# Altium PCB Board.PcbDoc (part 2 of 2) (continued)
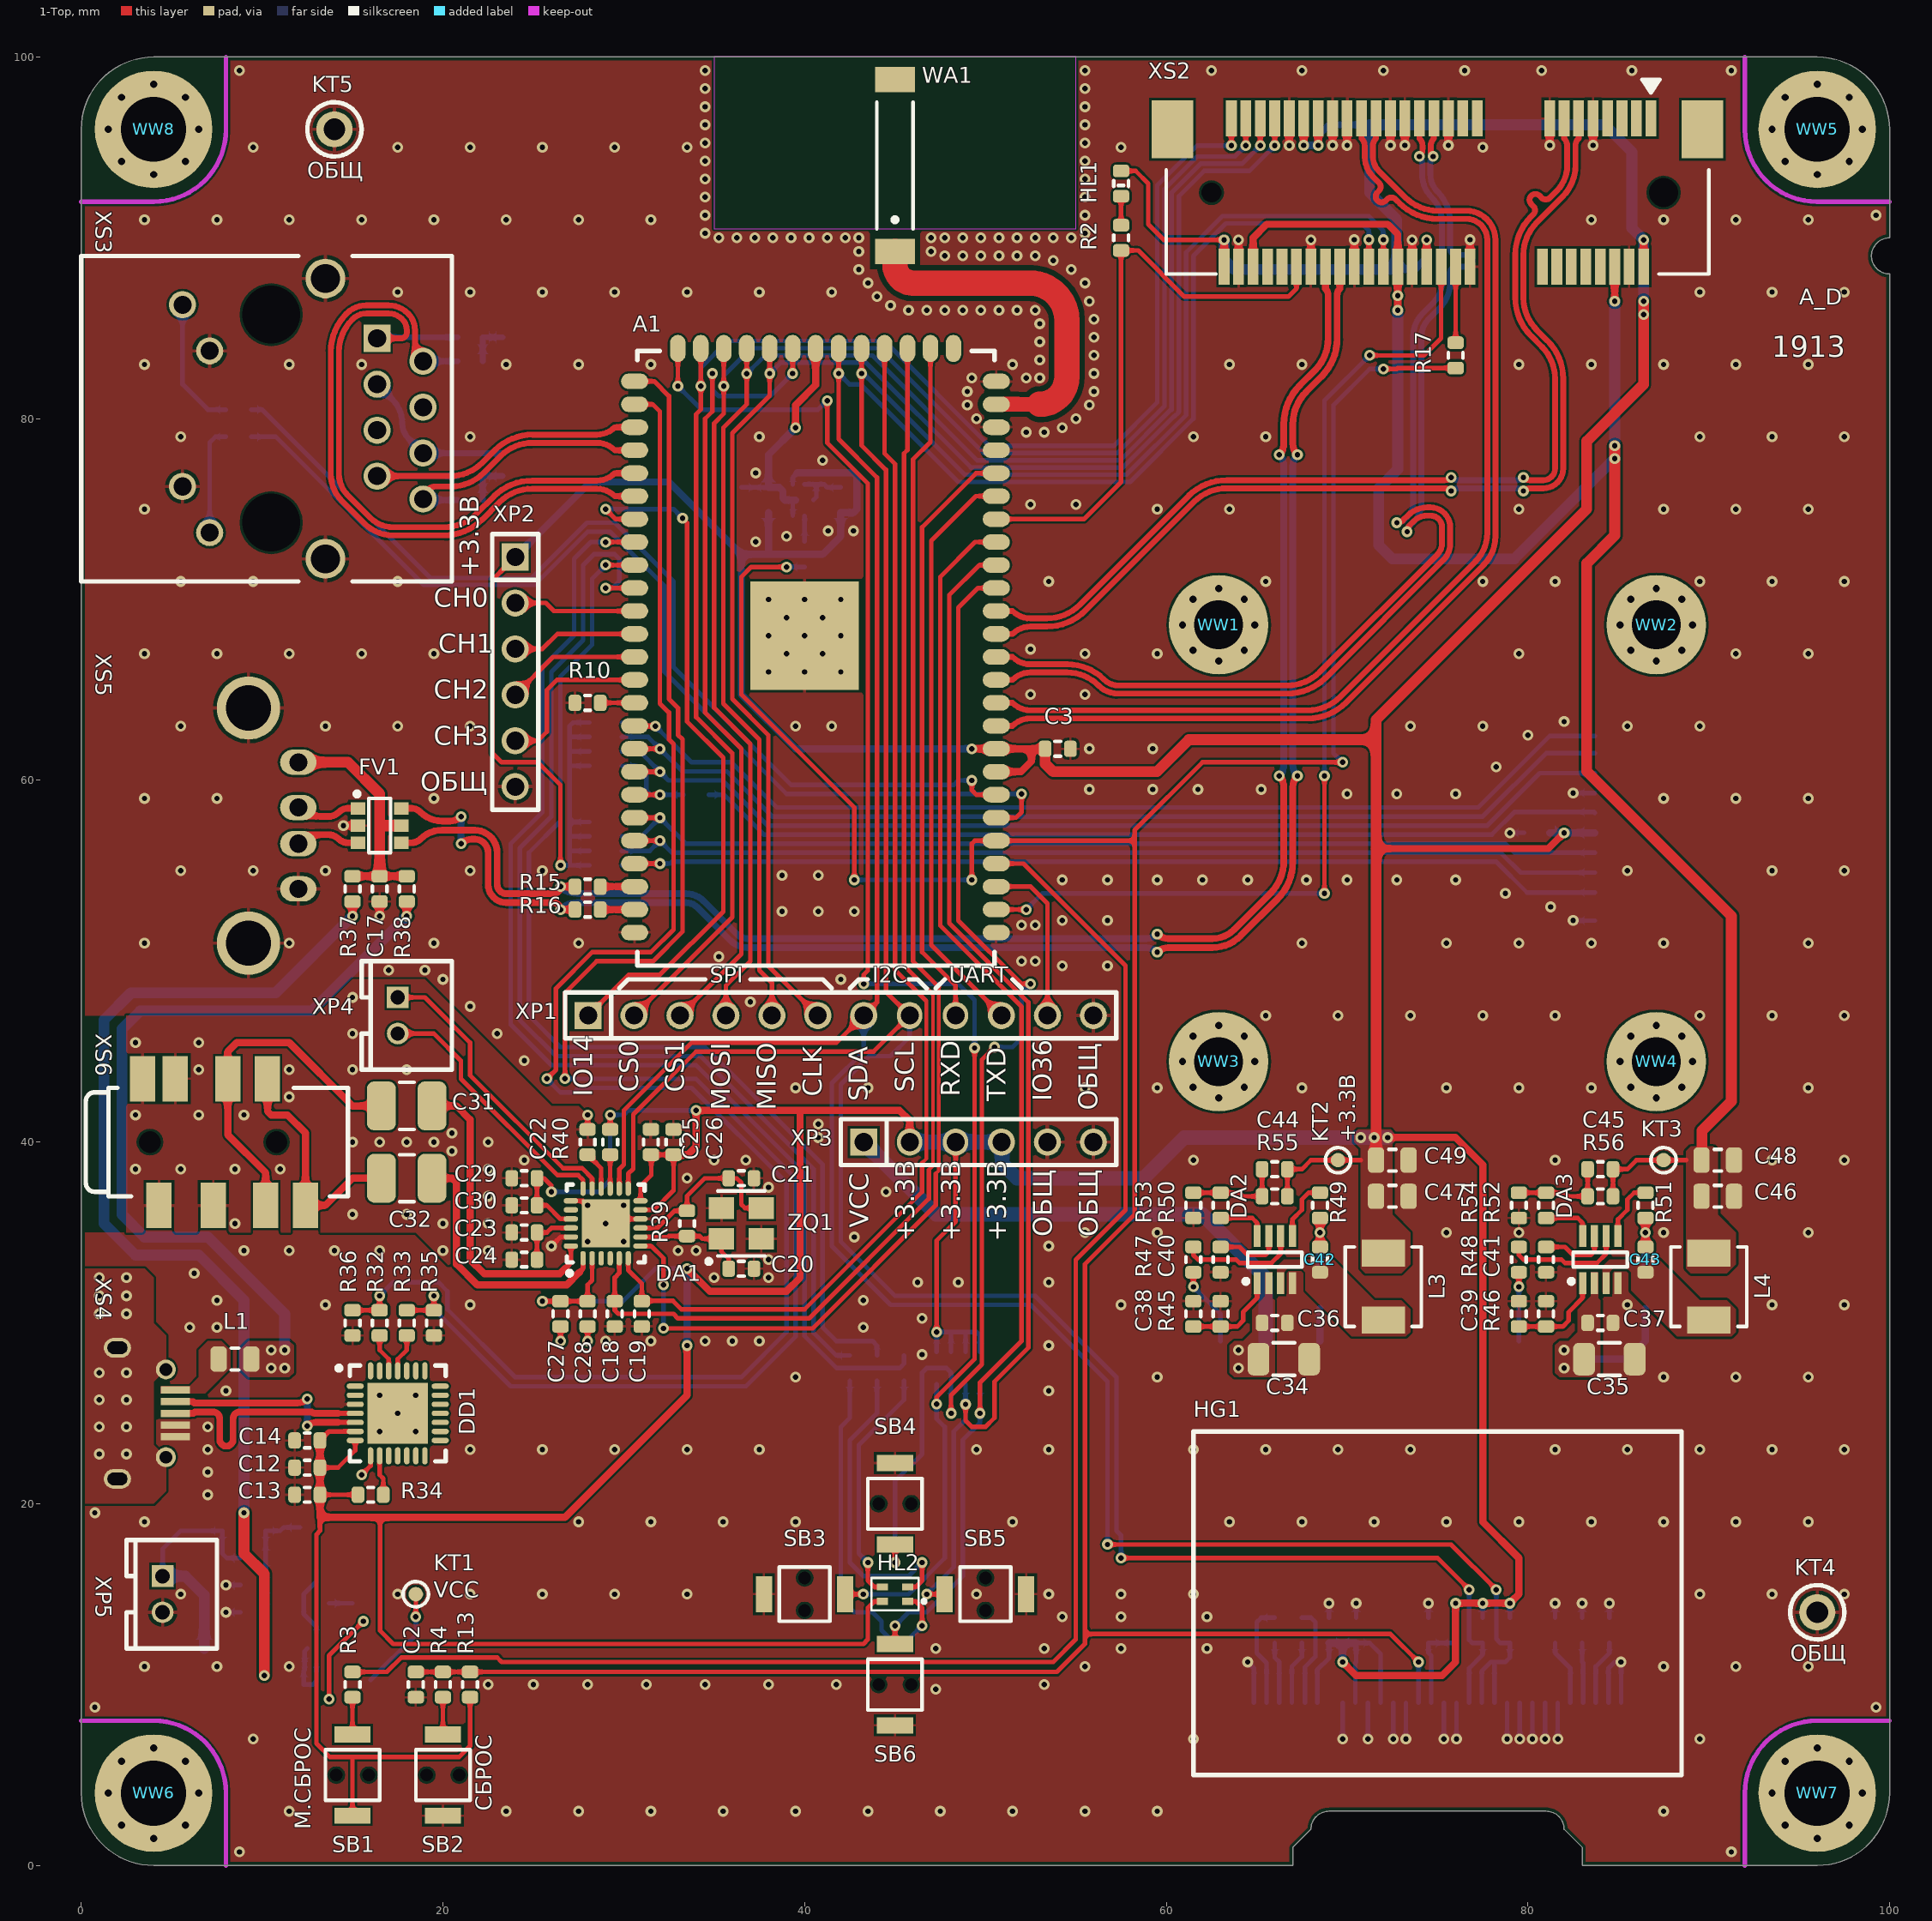
[diagram p0: 1-Top view]
## Nets (pads, with @x,y where several pads share a name; then routed paths per layer and width w, separated by ;. In a path a pad name is that pad's centre, name@x,y a point inside that pad or via, vN(x,y) a via of type N, cw(c..) or ccw(c..) an arc to the next point about the centre after c; other vN are vias at no path point) (continued)
  2-Bottom w0.325: v1(75.75,76.75) ccw(c76.11,77.11) 76.11,76.601 79.39,76.601 ccw(c79.39,77.11) v1(79.75,76.75)
PCIE_PERST_N: A1.2 XS2.22 | length 57.6
  1-Top w0.25: A1.2@50.6,52.856 v1(52.25,52.856) ; v1(68.75,53.75) v1(68.75,60.25) ; v1(71.25,83.5) 74.25,83.5 75.2,84.45 XS2.22@75.2,88.4
  2-Bottom w0.25: v1(52.25,52.856) 53.144,53.75 v1(68.75,53.75) ; v1(68.75,60.25) 68.75,81 v1(71.25,83.5)
PCIE_RESET_N: R17.1 XS2.20 | length 4.2
  1-Top w0.25: R17.1@76,84.2 XS2.20@76,88.4
PCIE_RX0_N: A1.13 XS2.23 | length 57.9
  1-Top w0.325: A1.13@50.6,66.826 51.5,66.826 ccw(c52.488,67.814) 52.488,66.417 54.529,66.417 cw(c54.529,63.537) 56.565,65.573 56.569,65.569 ccw(c57.34,66.34) 57.34,65.25 66.698,65.25 ccw(c66.698,67.79) 68.494,65.994 75,72.5 ccw(c74.396,73.104) 75.25,73.104 75.25,74 ccw(c74.608,74) 74.608,74.642 74.448,74.642 ccw(c74.448,73.552) 73.677,74.323 73.472,74.118 ccw(c73.839,73.75) v1(73.319,73.75) ; v1(74.75,94.5) cw(c75.05,94.8) 74.626,94.8 74.626,95.079 cw(c75.221,95.079) 74.8,95.5 XS2.23@74.8,96.6
  2-Bottom w0.325: v1(73.319,73.75) cw(c73.756,73.75) 73.447,74.058 73.662,74.274 ccw(c72.58,75.357) 74.111,75.357 74.111,84.561 cw(c75.439,84.561) 74.5,85.5 75.1,86.1 ccw(c73.649,87.552) 75.702,87.552 75.702,88 75.702,88.08 cw(c76.026,88.08) 76.026,88.404 76.61,88.404 ccw(c76.61,88.729) 76.934,88.729 ccw(c76.61,88.729) 76.61,89.053 76.026,89.053 cw(c76.026,89.378) 75.702,89.378 75.702,90.86 ccw(c73.312,90.86) 75.002,92.549 75,92.551 cw(c75.964,93.515) 74.601,93.515 74.601,94.14 cw(c75.11,94.14) v1(74.75,94.5)
PCIE_RX0_P: A1.12 XS2.25 | length 57.6
  1-Top w0.325: A1.12@50.6,65.556 51.5,65.556 cw(c52.488,64.568) 52.488,65.965 54.524,65.965 cw(c54.524,63.524) 56.25,65.25 56.253,65.247 ccw(c57.336,66.331) 57.336,64.798 66.699,64.798 ccw(c66.699,67.787) 68.812,65.674 75.322,72.184 ccw(c74.406,73.1) 75.702,73.1 75.702,74 ccw(c74.608,74) 74.608,75.094 74.444,75.094 ccw(c74.444,73.56) 73.36,74.645 73.118,74.402 ; v1(72.75,74.25) ccw(c72.75,74.77) 73.117,74.402 ; v1(74,94.5) ccw(c73.579,94.921) 74.174,94.921 74.174,95.079 ccw(c73.579,95.079) 74,95.5 XS2.25@74,96.6
  2-Bottom w0.325: v1(72.75,74.25) ccw(c72.75,74.854) 73.176,74.426 73.34,74.59 ccw(c72.569,75.361) 73.342,74.592 ccw(c72.569,75.361) 73.659,75.361 73.659,84.563 cw(c75.435,84.563) 74.179,85.818 74.778,86.417 ccw(c73.639,87.556) 75.25,87.553 ccw(c73.639,87.556) 75.25,87.556 75.25,90.857 ccw(c73.306,90.857) 74.681,92.232 74.679,92.234 cw(c75.957,93.512) 74.149,93.512 74.149,94.14 ccw(c73.64,94.14) v1(74,94.5)
PCIE_TX0_N: A1.10 XS2.31 | length 59.8
  1-Top w0.325: A1.10@50.6,63.016 51.5,63.016 cw(c52.488,62.028) 52.488,63.425 67.826,63.425 ccw(c67.826,66.413) 69.939,64.3 77.537,71.898 ccw(c75.931,73.503) 78.202,73.5 ccw(c75.931,73.503) 78.202,73.503 78.202,89.889 ccw(c76.59,89.889) 76.59,91.5 75.002,91.5 cw(c75.002,94.04) 73.206,92.244 71.762,93.688 cw(c72.574,94.5) 71.426,94.5 71.426,95.079 cw(c72.021,95.079) 71.6,95.5 XS2.31@71.6,96.6
PCIE_TX0_P: A1.11 XS2.33 | length 60
  1-Top w0.325: A1.11@50.6,64.286 51.5,64.286 ccw(c52.488,65.274) 52.488,63.877 67.824,63.877 ccw(c67.824,66.417) 69.621,64.621 77.085,72.085 ccw(c75.479,73.691) 77.75,73.691 77.75,89.889 ccw(c76.59,89.889) 76.59,91.048 75.001,91.048 cw(c75.001,94.037) 72.888,91.924 72.756,92.056 72.675,92.136 ccw(c72.446,91.907) 72.216,92.136 72.137,92.058 cw(c71.908,92.287) 71.678,92.058 cw(c71.908,92.287) 71.678,92.517 71.757,92.595 ccw(c71.528,92.825) 71.757,93.054 71.442,93.37 cw(c72.571,94.499) 70.974,94.499 70.974,95.079 ccw(c70.379,95.079) 70.8,95.5 XS2.33@70.8,96.6
PWM_CH0: A1.49 XP2.2 | length 6.8
  1-Top w0.25: XP2.2@24,69.81 25.69,69.81 26.134,69.366 A1.49@30.6,69.366
PWM_CH1: A1.50 XP2.3 | length 6.9
  1-Top w0.25: XP2.3@24,67.27 25.5,67.27 26.326,68.096 A1.50@30.6,68.096
PWM_CH2: A1.51 XP2.4 | length 7.5
  1-Top w0.25: XP2.4@24,64.73 26.096,66.826 A1.51@30.6,66.826
PWM_CH3: A1.52 XP2.5 | length 9.3
  1-Top w0.25: XP2.5@24,62.19 25.25,62.19 25.75,62.69 25.75,65 26.306,65.556 A1.52@30.6,65.556
RESET_N: A1.5 C2.2 HG1.14 R1.1 R4.2 R13.1 R17.2 | length 186.4
  1-Top w0.25: C2.2@18.5,10.7 R4.2@20,10.7 R13.1@21.5,10.7 53.95,10.7 55.5,12.25 55.5,12.797 ; v1(39,71.8) 37.05,71.8 36.5,71.25 36.5,64.75 42.75,58.5 v1(42.75,54.5) ; v1(49.25,54.5) 49.25,56.5 49.416,56.666 A1.5@50.6,56.666 58.25,56.666 ; v1(69.75,61) 62,61 58.25,57.25 58.25,56.666 ; v1(72,82.75) 72.75,82.75 72.8,82.8 R17.2@76,82.8 ; v1(73.95,11.25) 72.403,12.797 55.5,12.797 ; 55.5,12.797 55.5,33.242 58.25,35.992 58.25,56.666
  2-Bottom w0.25: v1(39,71.8) R1.1@40,71.8 ; v1(42.75,54.5) v1(49.25,54.5) ; v1(69.75,61) 69.25,61.5 69.25,80.75 71.25,82.75 v1(72,82.75) ; HG1.14@73.95,9 v1(73.95,11.25)
SD_CD: A1.54 R8.5 XS1.CDB | length 58.5
  1-Top w0.25: A1.54@30.6,63.016 30.616,63 v1(31.75,63)
  2-Bottom w0.25: R8.5@29.9,63.2 31.066,63.2 31.266,63 v1(31.75,63) 33.75,61 35.956,61 38.456,58.5 77.25,58.5 81.2,62.45 XS1.CDB@83.7,62.45
SD_CLK: A1.57 R7.2 R8.8 | length 5.9
  1-Top w0.25: A1.57@30.6,59.206 v1(32,59.206)
  2-Bottom w0.25: R8.8@29.9,60.8 30.7,60.8 31.25,60.25 31.25,59.456 31.5,59.206 v1(32,59.206) R7.2@33.3,59.206
SD_CMD: A1.58 R9.6 XS1.3 | length 56.4
  1-Top w0.25: A1.58@30.6,57.936 v1(32,57.936)
  2-Bottom w0.25: R9.6@29.9,56.9 30.964,56.9 v1(32,57.936) 33.436,56.5 78.75,56.5 79.25,56 XS1.3@83.7,56
SD_D0: A1.56 R8.7 XS1.7 | length 58.1
  1-Top w0.25: A1.56@30.6,60.476 v1(32,60.476)
  2-Bottom w0.25: R8.7@29.9,61.6 30.876,61.6 v1(32,60.476) 32.476,60 35.456,60 37.956,57.5 77.75,57.5 80.65,60.4 XS1.7@83.7,60.4
SD_D1: A1.55 R8.6 XS1.8 | length 58.5
  1-Top w0.25: A1.55@30.6,61.746 v1(32,61.746)
  2-Bottom w0.25: R8.6@29.9,62.4 31.346,62.4 v1(32,61.746) 33.246,60.5 35.706,60.5 38.206,58 77.5,58 81,61.5 XS1.8@83.7,61.5
SD_D2: A1.60 R9.8 XS1.1 | length 56
  1-Top w0.25: A1.60@30.6,55.396 v1(32,55.396)
  2-Bottom w0.25: R9.8@29.9,55.3 31.154,55.3 31.25,55.396 v1(32,55.396) 32.562,55.396 32.666,55.5 78.25,55.5 79.95,53.8 XS1.1@83.7,53.8
SD_D3: A1.59 R9.7 XS1.2 | length 56.2
  1-Top w0.25: A1.59@30.6,56.666 v1(32,56.666)
  2-Bottom w0.25: R9.7@29.9,56.1 31.434,56.1 v1(32,56.666) 32.666,56 78.5,56 79.6,54.9 XS1.2@83.7,54.9
SD_WP: A1.53 R10.2 | length 1.9
  1-Top w0.25: R10.2@28.7,64.286 A1.53@30.6,64.286
SOFT_RESET: A1.4 R3.2 | length 88.8
  1-Top w0.25: R3.2@15,10.7 16.9,10.7 17.7,11.5 23,11.5 23.25,11.25 53.75,11.25 55,12.5 55,33.492 57.75,36.242 57.75,49.75 52.104,55.396 A1.4@50.6,55.396
SPI_CLK: A1.34 XP1.6 XS2.45 | length 86.1
  1-Top w0.25: A1.34@38.07,83.88 v1(38.07,82.499) 38.07,81.27 36,79.2 36,64.5 38,62.5 38,49.73 XP1.6@40.73,47 ; v1(66,95.1) XS2.45@66,96.6
  2-Bottom w0.25: v1(38.07,82.499) 38.671,83.1 43.4,83.1 49.2,77.3 57.6,77.3 60.423,80.123 60.456,80.123 60.677,80.344 60.677,80.377 60.7,80.4 60.7,92.3 62.1,93.7 64.6,93.7 v1(66,95.1)
SPI_CS0: A1.37 XP1.2 XS2.51 | length 88.8
  1-Top w0.25: XP1.2@30.57,47 36,52.43 36,61.5 34,63.5 34,80.25 34.26,80.51 v1(34.26,81.8) A1.37@34.26,83.88 ; v1(63.6,95.1) XS2.51@63.6,96.6
  2-Bottom w0.25: v1(34.26,81.8) 34.26,82.816 35.744,84.3 44.419,84.3 50.219,78.5 57.1,78.5 59.5,80.9 59.5,92.9 61.7,95.1 v1(63.6,95.1)
SPI_CS1: A1.33 XP1.3 | length 45.3
  1-Top w0.25: XP1.3@33.11,47 36.5,50.39 36.5,61.75 34.5,63.75 34.5,80 34.9,80.4 v1(34.9,82.5) ; v1(39.34,82.5) A1.33@39.34,83.88
  2-Bottom w0.25: v1(34.9,82.5) 34.9,81.6 35.25,81.25 38.09,81.25 v1(39.34,82.5)
SPI_MISO: A1.35 XP1.5 XS2.47 | length 85.5
  1-Top w0.25: A1.35@36.8,83.88 36.8,80.8 35.5,79.5 35.5,64.25 37.5,62.25 37.5,49.5 38.19,48.81 XP1.5@38.19,47 ; v1(65.2,95.1) XS2.47@65.2,96.6
  2-Bottom w0.25: v1(36.8,82.485) 37.815,83.5 43.75,83.5 49.55,77.7 57.467,77.7 60.267,80.5 60.3,80.5 60.3,92.5 61.9,94.1 64.2,94.1 v1(65.2,95.1)
SPI_MOSI: A1.36 XP1.4 XS2.49 | length 86.5
  1-Top w0.25: A1.36@35.53,83.88 v1(35.53,81.804) 35.53,80.28 35,79.75 35,64.016 37,62.016 37,50 35.65,48.65 XP1.4@35.65,47 ; v1(64.4,95.1) XS2.49@64.4,96.6
  2-Bottom w0.25: v1(35.53,81.804) 35.53,82.376 37.054,83.9 44.1,83.9 49.9,78.1 57.3,78.1 59.9,80.7 59.9,92.7 61.7,94.5 63.8,94.5 v1(64.4,95.1)
SPK+: DA1.17 XP4.1 | length 16.5
  1-Top w0.25: XP4.1@17.5,48 19,48 21.5,45.5 21.5,43.7 26.65,38.55 27.7,38.55 28.25,38 DA1.17@28.25,37.425
SPK-: DA1.18 XP4.2 | length 14.7
  1-Top w0.25: XP4.2@17.5,46 19.5,46 21,44.5 21,43.5 26.327,38.173 27.475,38.173 27.75,37.898 DA1.18@27.75,37.425
UART1_RXD: A1.21 XP1.9 | length 33.1
  1-Top w0.25: XP1.9@48.35,47 48.35,48.65 46.5,50.5 46.5,74 49.486,76.986 A1.21@50.6,76.986
UART1_TXD: A1.20 XP1.10 | length 32.5
  1-Top w0.25: A1.20@50.6,75.716 49.466,75.716 47,73.25 47,50.89 XP1.10@50.89,47
UART_RXD: A1.40 R32.2 R36.2 | length 96.6
  1-Top w0.25: R36.2@15,30.7 R32.2@16.5,30.7 v1(16.5,31.5) ; v1(25.75,43.5) 26.25,44 26.25,48.5 28.25,50.5 31.5,50.5 32.75,51.75 32.75,62.016 32.5,62.266 32.5,63.75 32,64.25 32,80.4 31.604,80.796 A1.40@30.6,80.796
  2-Bottom w0.25: v1(16.5,31.5) 17.25,32.25 19.75,32.25 20.25,31.75 20.25,30.75 24,27 36.5,27 39,29.5 39,37.75 33.75,43 27.5,43 27.25,42.75 26.5,42.75 v1(25.75,43.5)
UART_TXD: A1.39 R33.2 R35.2 | length 94.5
  1-Top w0.25: R33.2@18,30.7 R35.2@19.5,30.7 v1(19.5,31.5) ; v1(26.75,43.5) 26.75,48.25 28.5,50 31.61,50 33.25,51.64 33.25,62.266 33,62.516 33,64 32.5,64.5 32.5,81.25 31.684,82.066 A1.39@30.6,82.066
  2-Bottom w0.25: v1(19.5,31.5) 19.5,30.75 23.75,26.5 36.75,26.5 39.5,29.25 39.5,38 34,43.5 v1(26.75,43.5)
USBD_N: DD1.5 XS4.2 | length 11.6
  1-Top w0.25: 14.2,24.5 DD1.5@15.15,24.5
  1-Top w0.37: XS4.2@5.2,25.65 6.173,25.65 6.25,25.573 11.953,25.573 ccw(c11.953,26.347) v1(12.5,25.8) ; v1(12.5,24.3) cw(c12.983,23.817) 12.983,24.5 14.2,24.5
  2-Bottom w0.37: v1(12.5,24.3) v1(12.5,25.8)
USBD_P: DD1.4 XS4.3 | length 13.1
  1-Top w0.25: 14.2,25 DD1.4@15.15,25
  1-Top w0.37: XS4.3@5.2,25 6.205,25 6.281,25.077 6.546,25.077 6.916,25.077 7.286,25.077 cw(c7.286,24.707) 7.656,24.707 7.656,23.555 ccw(c8.026,23.555) 8.026,23.185 ccw(c8.026,23.555) 8.396,23.555 8.396,24.707 cw(c8.766,24.707) 8.766,25.077 9.136,25.077 9.214,25.077 12.75,25.077 ccw(c12.935,25.261) 12.935,25 14.2,25
USBH_N: FV1.6 R16.1 XS2.36 | length 92.5
  1-Top w0.37: FV1.6@17.7,58.45 18.267,58.45 cw(c18.267,57.767) 18.75,58.25 ccw(c19.961,59.461) 19.961,57.748 20.393,57.748 ccw(c20.393,58.607) v1(21,58) ; v1(21,56.5) cw(c21.6,55.9) 21.6,56.748 21.75,56.748 cw(c21.75,55.995) 22.503,55.995 22.503,54.239 ccw(c23.5,54.239) 23.5,53.242 26.113,53.242 cw(c26.113,52.856) v1(26.5,52.856) R16.1@27.3,52.856 ; v1(59.5,50.5) cw(c60.107,49.893) 60.107,50.752 62.54,50.752 ccw(c62.54,52.958) 64.101,51.398 66.16,53.457 ccw(c64.135,55.482) 66.998,55.478 ccw(c64.135,55.482) 66.998,55.482 66.998,59.643 cw(c67.857,59.643) v1(67.25,60.25) ; v1(67.25,78) cw(c67.857,78.607) 66.998,78.607 66.998,79.696 cw(c69.538,79.696) 67.742,81.492 68.575,82.325 ccw(c66.465,84.434) 69.448,84.434 69.448,86.834 cw(c69.966,86.834) 69.6,87.2 XS2.36@69.6,88.4
  2-Bottom w0.37: v1(21,56.5) v1(21,58) ; v1(26.5,52.856) cw(c27.433,51.923) 27.433,53.242 33.415,53.242 cw(c33.415,52.301) 34.081,52.967 35.9,51.147 ccw(c36.855,52.101) 36.855,50.752 58.893,50.752 cw(c58.893,49.893) v1(59.5,50.5) ; v1(67.25,60.25) cw(c67.857,60.857) 66.998,60.857 66.998,77.393 cw(c67.857,77.393) v1(67.25,78)
USBH_P: FV1.4 R15.1 XS2.38 | length 90.1
  1-Top w0.37: FV1.4@17.7,56.55 18.267,56.55 ccw(c18.267,57.233) 18.75,56.75 cw(c19.961,55.539) 19.961,57.252 19.967,57.245 21.75,57.245 cw(c21.75,55.995) 23,55.995 23,54.239 ccw(c23.5,54.239) 23.5,53.739 26.113,53.739 ccw(c26.113,54.126) v1(26.5,54.126) R15.1@27.3,54.126 ; v1(59.5,51.5) ccw(c60.107,52.107) 60.107,51.248 62.539,51.248 ccw(c62.539,52.961) 63.75,51.75 65.758,53.758 ccw(c63.962,55.554) 66.502,55.554 66.502,59.643 ccw(c65.643,59.643) v1(66.25,60.25) ; v1(66.25,78) ccw(c65.643,78.607) 66.502,78.607 66.502,79.697 cw(c69.536,79.697) 67.39,81.843 68.222,82.675 ccw(c66.461,84.436) 68.952,84.436 68.952,86.834 ccw(c68.434,86.834) 68.8,87.2 XS2.38@68.8,88.4
  2-Bottom w0.37: v1(26.5,54.126) ccw(c27.433,55.059) 27.433,53.739 33.417,53.739 cw(c33.417,52.306) 34.431,53.319 36.25,51.5 ccw(c36.857,52.107) 36.857,51.248 58.893,51.248 ccw(c58.893,52.107) v1(59.5,51.5) ; v1(66.25,60.25) ccw(c65.643,60.857) 66.502,60.857 66.502,77.393 ccw(c65.643,77.393) v1(66.25,78)
USBHR_N: FV1.1 XS5.2 | length 3.6
  1-Top w0.37: XS5.2@12,58.5 ccw(c13.207,59.707) 13.207,58 13.646,58 ccw(c13.646,58.854) 14.25,58.25 cw(c14.733,57.767) 14.733,58.45 FV1.1@15.3,58.45
USBHR_P: FV1.3 XS5.3 | length 3.6
  1-Top w0.37: XS5.3@12,56.5 cw(c13.207,55.293) 13.207,57 13.646,57 cw(c13.646,56.146) 14.25,56.75 ccw(c14.733,57.233) 14.733,56.55 FV1.3@15.3,56.55
VBUS: DD1.8 L1.2 R38.2 R43.2 R44.2 VT3.3 | length 51.1
  1-Top w0.25: v1(13.7,9.2) 13.7,11.6 v1(15.6,13.5) ; v1(15.5,21.6) 16,22.1 DD1.8@16,22.65
  1-Top w0.4: v1(18,52.5) R38.2@18,53.3
  2-Bottom w0.25: v1(13.7,9.2) R44.2@13.7,10 ; R43.2@13.7,14.5 15,14.5
  2-Bottom w0.6: v1(11.25,28.5) 11.25,30.5 7,34.75 3.5,34.75 2.25,36 2.25,46.25 3.25,47.25 12.75,47.25 v1(18,52.5)
  other v1: 10.5,27.5 11.25,27.5 10.5,28.5
VCC: C34.2 C35.2 C36.2 C37.2 DA2.2 DA3.2 KT1.1 R37.2 R47.1 R48.1 VD2.2 VD3.1 VD4.1 VT3.4 XP3.1 | length 109.3
  1-Top w0.25: v1(18.5,13.75) KT1.1@18.5,15 ; v1(61.5,32) R47.1@61.5,32.8 ; v1(79.5,32) R48.1@79.5,32.8
  1-Top w0.4: v1(15,52.5) R37.2@15,53.3
  1-Top w0.6: v1(9,19.5) 9,17.25 10.125,16.125 v1(10.125,10.5)
  2-Bottom w0.25: 16,10.25 18.5,12.75 v1(18.5,13.75) ; v1(61.5,32) 63,30.5 63,29 ; 79.5,29 v1(79.5,32)
  2-Bottom w0.4: 68.5,29 VD3.1@68.5,30.8 ; 83,28 85.5,28 86.5,29 VD4.1@86.5,30.8
  2-Bottom w0.6: v1(9,19.5) 9,31.25 6.5,33.75 3,33.75 1.25,35.5 1.25,46.75 2.75,48.25 10.75,48.25 v1(15,52.5)
  2-Bottom w0.8: XP3.1@43.27,40 47.27,36 62,36 65.5,32.5 65.5,29
  other v1: 64,27.5 82,27.5 64,28.5 82,28.5
VCC1P5: C45.2 C46.2 C48.2 KT3.1 L4.2 R56.2 XS2.6 XS2.28 XS2.48 | length 103.2
  1-Top w0.25: R56.2@84.7,37 C45.2@84.7,38.5 85.5,38.5 86,39 88.75,39
  1-Top w0.4: XS2.48@64.8,88.389 XS2.48@64.8,88.4 64.8,90 65.55,90.75 72.25,90.75 72.8,90.2 XS2.28@72.8,88.4 v1(72.8,86.808) v1(72.8,86) ; v1(84.8,86.5) XS2.6@84.8,88.4
  1-Top w0.6: v1(84.8,78.507) v1(84.8,77.8) 84.8,73.55 83.25,72 83.25,60.5 91.25,52.5 91.25,42.25 89.625,40.625 89.625,39.75
  2-Bottom w0.6: v1(72.8,86) 72.8,77.199 71.75,76.149 71.75,73 72.5,72.25 79.25,72.25 v1(84.8,77.8) v1(84.8,78.507) v1(84.8,86.5)
VCC3P3: A1.8 A1.9 C1.1 C3.1 C4.2 C5.2 C12.2 C13.2 C14.2 C25.1 C26.1 C27.1 C28.1 C29.1 C30.1 C44.2 C47.2 C49.2 DA1.2 DA1.11 DA1.12 DA1.21 DD1.6 DD1.7 HG1.6 HG1.9 HG1.11 HL1.1 HL2.2 KT2.1 L3.2 R5.2 R6.2 R8.1 R8.2 R8.3 R8.4 R9.1 R9.2 R9.3 R9.4 R11.1 R12.1 R13.2 R21.5 R21.6 R21.7 R21.8 R22.2 R34.1 R40.1 R55.2 SB1.1 VT1.4 XP2.1 XP3.2 XP3.3 XP3.4 XS1.4 XS2.2 XS2.24 XS2.39 XS2.41 XS2.52 | length 543.6
  1-Top w0.25: 13.2,19.25 13.2,18.5 13,18.3 13,6.75 13.75,6 15.011,6 ; C13.2@13.2,20.5 R34.1@15.3,20.5 ; C12.2@13.2,22 14.2,22 15.15,22.95 DD1.7@15.15,23.5 ; C14.2@13.2,23.5 13.7,24 DD1.6@15.15,24 ; SB1.1@15,2.75 15,5.989 15.011,6 ; 16.523,19.25 16.523,12.977 17.25,12.25 43.25,12.25 43.5,12.5 43.5,14.25 43.85,14.6 HL2.2@44.3,14.6 ; R13.2@21.5,9.3 21.5,6.6 20.9,6 15.011,6 ; XP2.1@24,72.35 22.75,71.1 22.75,61.5 23.25,61 25.25,61 26.5,59.75 v1(26.5,55.3) ; v2(25.5,31.2) C27.1@26.5,31.2 C28.1@28,31.2 28,32.102 28.25,32.352 DA1.2@28.25,33.575 ; v1(26,37.25) 26,37.598 25.598,38 C29.1@25.2,38 C30.1@25.2,36.5 25.75,36.5 26.5,35.75 DA1.21@27.075,35.75 ; R40.1@29.25,40.7 v1(29.25,41.5) ; DA1.11@30.925,36.25 31.675,36.25 32.75,37.325 C26.1@32.75,39.3 C25.1@31.5,39.3 31.526,39.274 31.526,38.173 30.925,37.572 DA1.12@30.925,36.75 ; 39.625,41.75 39.75,41.625 ; v1(47.3,29.5) 47.3,34.55 48.35,35.6 XP3.3@48.35,40 ; HL1.1@57.5,93.7 58.3,93.7 59,93 59,90.75 59.861,89.889 v1(63.2,89.889) ; R55.2@66.7,37 C44.2@66.7,38.5 67.5,38.5 68,39 KT2.1@69.5,39 70.75,39
  1-Top w0.4: C14.2@13.2,23.5 C12.2@13.2,22 C13.2@13.2,20.5 13.2,19.25 16.523,19.25 26.75,19.25 33.5,26 v1(33.5,28.75) ; C26.1@32.75,39.3 33.55,39.3 34,39.75 v1(34,41.75) 39.625,41.75 45.25,41.75 45.81,41.19 XP3.2@45.81,40 ; v1(33.5,33) 34.75,31.75 39,31.75 39.75,32.5 39.75,41.625 ; v1(49.25,61.746) A1.9@50.6,61.746 52.544,61.746 ; A1.8@50.6,60.476 51.964,60.476 52.544,61.057 52.544,61.746 ; C3.1@53.3,61.746 52.544,61.746 ; XS2.52@63.2,88.389 XS2.52@63.2,88.4 v1(63.2,89.889) ; v1(67.6,95.111) XS2.41@67.6,96.6 XS2.41@67.6,96.611 ; v1(68.4,95.111) XS2.39@68.4,96.6 XS2.39@68.4,96.611 ; v1(69.75,11.25) 70.5,10.5 75.25,10.5 76,11.25 v1(76,14.5) v1(77.5,14.5) v1(79,14.5) 79.5,15 79.5,17 77.5,19 77.5,38.75 76,40.25 v1(72.25,40.25) ; 71.6,56.228 81.131,56.228 v1(82.003,57.1) ; XS2.24@74.4,88.389 XS2.24@74.4,88.4 v1(74.4,89.889) ; XS2.2@86.4,88.389 XS2.2@86.4,88.4 v1(86.4,89.889)
  1-Top w0.6: C3.1@53.3,61.746 53.3,60.926 53.75,60.476 59.476,60.476 61.25,62.25 71.6,62.25 ; C49.2@71.6,39 71.6,56.228 71.6,62.25 ; v1(86.4,86.5) v1(86.4,85.756) 86.4,81.9 83.25,78.75 83.25,75 71.6,63.35 71.6,62.25
  2-Bottom w0.25: v2(25.5,31.2) 29.95,31.2 31.75,33 v1(33.5,33) ; v1(26,37.25) 28.598,37.25 29.25,37.902 v1(29.25,41.5) 30,41.5 30.25,41.75 v1(34,41.75) ; v1(26.5,55.3) 27.022,55.3 ; 27.001,62.4 R8.3@28.1,62.4 ; R9.1@28.1,55.3 27.022,55.3 ; R9.2@28.1,56.1 27.027,56.1 27,56.073 ; R9.3@28.1,56.9 27.047,56.9 27,56.853 ; R9.4@28.1,57.7 27,57.7 ; R8.1@28.1,60.8 27.008,60.8 27,60.792 ; R8.2@28.1,61.6 27.007,61.6 27,61.607 ; R8.4@28.1,63.2 27.2,63.2 27,63 27,62.401 27,61.607 ; VT1.4@39.35,76.375 39.35,76.75 39.6,77 ; R21.5@47.3,28.4 v1(47.3,29.5) 48.17,29.5 ; R21.6@48.1,28.4 48.1,29.43 48.17,29.5 ; R21.7@48.9,28.4 48.9,29.435 48.835,29.5 ; R21.8@49.7,28.4 49.7,29.3 49.5,29.5 48.835,29.5 ; HG1.6@68.35,9 68.35,10.82 69,11.47 C5.2@69,12.3 ; HG1.9@70.45,9 70.45,11.2 70.5,11.25 C4.2@70.5,12.3 71.25,12.3 71.85,11.7 HG1.11@71.85,9 ; R22.2@76,13.7 v1(76,14.5) ; R11.1@77.5,13.7 v1(77.5,14.5) ; R12.1@79,13.7 v1(79,14.5) ; 27,56.073 27,56.853 ; 27,56.073 27,55.322 27.022,55.3 ; 27,56.853 27,57.7 ; 27,57.7 27,60.792 ; 27,60.792 27,61.607 ; 48.17,29.5 48.835,29.5
  2-Bottom w0.4: XP2.1@24,72.35 28.15,76.5 32.5,76.5 36.5,72.5 ; v1(33.5,28.75) v1(33.5,33) ; R6.2@38,74.8 38,72.513 37.987,72.5 ; 39.6,77 42.7,77 42.9,76.8 42.9,75 42.7,74.8 R5.2@42,74.8 42,73.5 41,72.5 37.987,72.5 ; v1(49.25,61.746) 39.504,61.746 36.5,64.75 36.5,72.5 ; v1(67.6,95.111) v1(68.4,95.111) 68.4,95.65 69,96.25 71.25,96.25 ; C5.2@69,12.3 69.75,12.3 ; v1(69.75,11.25) 69.75,12.3 ; C4.2@70.5,12.3 69.75,12.3 ; 72.75,88.25 73.75,88.25 74.4,88.9 v1(74.4,89.889) ; C1.1@81.2,57.1 v1(82.003,57.1) XS1.4@83.7,57.1 ; 36.5,72.5 37.987,72.5
  2-Bottom w0.6: v1(63.2,89.889) 63.2,88.8 63.75,88.25 72.75,88.25 72.75,91 71.25,92.5 71.25,96.25 84.25,96.25 85.75,94.75 85.75,90.539 v1(86.4,89.889) v1(86.4,86.5) v1(86.4,85.756)
  2-Bottom w0.8: XP3.2@45.81,40 XP3.3@48.35,40 XP3.4@50.89,40 ; XP3.4@50.92,40 50.92,38.83 51.75,38 58.75,38 61,40.25 v1(70.75,40.25) v1(71.5,40.25) v1(72.25,40.25)
VCC_FLASH: A1.32 R6.1 R14.2 VT1.3 | length 13.2
  1-Top w0.4: v1(39.5,79.5) 39.5,80.75 40.61,81.86 A1.32@40.61,83.88
  2-Bottom w0.25: R14.2@36.5,76.2 R6.1@38,76.2 ; VT1.3@39.35,74.625 39.35,75.34 VT1.3@39.51,75.5
  2-Bottom w0.4: v1(39.5,79.5) 38,78 R6.1@38,76.2 38.6,76.2 38.8,76 38.8,75.6 38.9,75.5 VT1.3@39.51,75.5
WLED_N: A1.19 R2.2 XS2.42 | length 32.7
  1-Top w0.25: A1.19@50.6,74.446 55.446,74.446 57.5,76.5 R2.2@57.5,89.3 58.45,89.3 61,86.75 66.75,86.75 67.2,87.2 XS2.42@67.2,88.4
pads on no net: DA1.3 DA1.4 DA1.20 DD1.1 DD1.2 DD1.10 DD1.11 DD1.12 DD1.13 DD1.14 DD1.15 DD1.16 DD1.17 DD1.18 DD1.19 DD1.20 DD1.21 DD1.22 DD1.23 DD1.24 DD1.27 DD1.28 HG1.7 R9.5 SB1.4 SB2.4 SB3.4 SB4.4 SB5.4 SB6.4 WA1.2 WW1.MH WW2.MH WW3.MH WW4.MH WW5.MH WW6.MH WW7.MH WW8.MH XS2.0 XS2.1 XS2.3 XS2.5 XS2.7 XS2.8 XS2.10 XS2.12 XS2.14 XS2.16 XS2.17 XS2.19 XS2.44 XS2.46 XS2.MH XS3.0 XS3.4 XS3.5 XS6.0

## Polygon pours and split planes (outlines as drawn)
GND on 2-Bottom "GND_L02_P232" (solid, remove dead copper, pour order 232): 0,0 100,0 100,100 0,100
AGND on 2-Bottom "AGND_L02_P208" (solid, remove dead copper, pour order 208): 0,47.5 13,47.5 14.5,49 19,49 22.5,45.5 26,42 28,42 28.5,41.5 28.5,37.5 25,37.5 24.5,37 24.5,36 25,35.5 27.25,35.5 27.5,35.25 27.5,34.25 28,33.75 28,28.5 25,28.5 18.5,35 0,35
VCC on 2-Bottom "VCC_L02_P204" (solid, remove dead copper, pour order 204): 9.7,12.5 9.7,8.3 11.75,6.25 58,6.25 60.5,8.75 60.5,24 63.5,27 82.5,27 83,27.5 83,28.5 82.5,29 62.5,29 58.5,25 58.5,10.75 56.75,9 17.5,9 15.25,11.25 13.49,11.25 13.49,10.75 14.25,10.75 14.5,10.5 14.5,9 14.25,8.75 12,8.75 10.7,10.05 10.7,12.5
VBUS on 2-Bottom "VBUS_L02_P202" (solid, remove dead copper, pour order 202): 10.25,29 10,28.75 10,23.75 13,20.75 14.5,20.75 15,20.25 15,13.25 14.25,12.5 13.8,12.5 13.8,13 13.5,13 13.49,12.5 13.2,12.5 13.2,11.5 15.25,11.5 16.5,12.75 16.5,21.25 15.75,22 13.75,22 11.75,24 11.75,28.75 11.5,29
EARTH on 2-Bottom "EARTH_L02_P194" (solid, remove dead copper, pour order 194): 0,20 4,20 4.7,20.7 4.7,22.55 4,23.25 4,26.75 4.7,27.45 4.7,29.3 4,30 4,32.5 3.5,33 0,33
no net on 2-Bottom "NONET_L02_P190" (solid, remove dead copper, pour order 190): -6.25,37.75
no net on 2-Bottom "NONET_L02_P086" (solid, remove dead copper, pour order 86): 18,24.9
no net on 2-Bottom "NONET_L02_P084" (solid, remove dead copper, pour order 84): 18,25
no net on 2-Bottom "NONET_L02_P074" (solid, remove dead copper, pour order 74): -11.25,89.25
GND on 1-Top "GND_L01_P236" (solid, remove dead copper, pour order 236): 0,100 100,100 100,0 0,0
VCC on 1-Top "VCC_L01_P222" (solid, remove dead copper, pour order 222): 83.475,32.8 83.475,31.475 82.75,30.75 82.75,29.5 82.25,29 81.75,29 81.5,28.75 81.5,27.25 81.75,27 83.75,27 84,27.25 84,31.25 83.875,31.375 83.875,32.8
NetC43_2 on 1-Top "NETC43_2_L01_P220" (solid, remove dead copper, pour order 220): 84.125,31.6 84.125,33.125 84.5,33.5 87.25,33.5 89.5,31.25 91,31.25 91.5,30.75 91.5,29.5 91.25,29.25 88.25,29.25 85.7,31.8 85.7,32.8 85.5,33 84.7,33 84.525,32.825 84.525,31.6
VCC1P5 on 1-Top "VCC1P5_L01_P218" (solid, remove dead copper, pour order 218): 91,32.75 91.5,33.25 91.5,35 90.5,36 90.5,39.5 90.25,39.75 89,39.75 88.75,39.5 88.75,33 89,32.75
VCC3P3 on 1-Top "VCC3P3_L01_P216" (solid, remove dead copper, pour order 216): 73,32.75 73.5,33.25 73.5,35 72.5,36 72.5,39.9 72.6,40 72.6,40.5 72.4,40.7 70.6,40.7 70.4,40.5 70.4,40 70.75,39.65 70.75,33 71,32.75
NetC42_2 on 1-Top "NETC42_2_L01_P214" (solid, remove dead copper, pour order 214): 66.125,31.6 66.125,33.125 66.5,33.5 69.25,33.5 71.5,31.25 73,31.25 73.5,30.75 73.5,29.5 73.25,29.25 70.25,29.25 67.7,31.8 67.7,32.8 67.5,33 66.7,33 66.525,32.825 66.525,31.6
VCC on 1-Top "VCC_L01_P212" (solid, remove dead copper, pour order 212): 65.475,32.8 65.475,31.475 64.75,30.75 64.75,29.5 64.25,29 63.75,29 63.5,28.75 63.5,27.25 63.75,27 65.75,27 66,27.25 66,31.25 65.875,31.375 65.875,32.8
AGND on 1-Top "AGND_L01_P210" (solid, remove dead copper, pour order 210): 0,35 18.5,35 22,31.5 28.5,31.5 28.5,41 27.5,42 26,42 22.5,45.5 19,49 15,49 13,47 0,47
NetL1_1 on 1-Top "NETL1_1_L01_P206" (solid, remove dead copper, pour order 206): 8.25,28.5 7.75,29 7,29 6.5,28.5 6.5,27 6,26.5 4.4,26.5 4.4,26.1 6.85,26.1 8.25,27.5
VBUS on 1-Top "VBUS_L01_P200" (solid, remove dead copper, pour order 200): 8.75,28.5 9.25,29 11.5,29 11.75,28.75 11.75,27.25 11.5,27 9.25,27 8.75,27.5
EARTH on 1-Top "EARTH_L01_P198" (solid, remove dead copper, pour order 198): -2,22
EARTH on 1-Top "EARTH_L01_P196" (solid, remove dead copper, pour order 196): 0,33 3.5,33 4,32.5 4,30 4.7,29.3 4.7,27.45 4,26.75 4,23.25 4.7,22.55 4.7,20.7 4,20 0,20
no net on 1-Top "NONET_L01_P192" (solid, pour order 192): 93.5,99.25
no net on 1-Top "NONET_L01_P056" (solid, pour order 56): 6.5,0.75

## Keep-outs
1-Top:
  rectangle: 35,90.5 55,100
  lines w0.25: 0,8 4.021,8 cw(c4.021,4.021) 8,4.021 8,0 ; 0,92 4.021,92 ccw(c4.021,95.979) 8,95.979 8,100 ; 92,0 92,4.021 cw(c95.979,4.021) 95.979,8 100,8 ; 92,100 92,95.979 ccw(c95.979,95.979) 95.979,92 100,92
2-Bottom:
  rectangle: 35,90.5 55,100
  lines w0.25: 0,8 4.021,8 cw(c4.021,4.021) 8,4.021 8,0 ; 0,92 4.021,92 ccw(c4.021,95.979) 8,95.979 8,100 ; 92,0 92,4.021 cw(c95.979,4.021) 95.979,8 100,8 ; 92,100 92,95.979 ccw(c95.979,95.979) 95.979,92 100,92

## Other copper
1-Top:
  pour cut-out: -0.3,47 2.5,47 2.5,35 0,35
2-Bottom:
  pour cut-out: 63.5,0 63.5,15 64.5,16 85.5,16 86.5,15 86.5,0
  pour cut-out: 63.5,0

## Silkscreen, mask and mechanical layers (free items; w line width, h text height)
Top Overlay:
  lines w0.25: 29.75,48.5 30.25,49 34.5,49 ; 37,49 41,49 41.5,48.5 ; 42.5,48.5 43,49 43.5,49 ; 45.75,49 46.25,49 46.75,48.5 ; 47.25,48.5 47.75,49 ; 52,48.5 51.5,49 ; 51.5,49 51.5,49
  text "A_D" at 95,86 h1.5
  text "1913" at 93.5,83 h2
  text "+3.3В" at 22.33,71.25 h1.8 r90
  text "CH0" at 19.5,69.23 h1.8
  text "CH1" at 19.75,66.69 h1.8
  text "CH2" at 19.5,64.15 h1.8
  text "CH3" at 19.5,61.61 h1.8
  text "ОБЩ" at 18.75,59.07 h1.8
  text "SPI" at 34.75,48.5 h1.5
  text "I2C" at 43.75,48.5 h1.5
  text "UART" at 48,48.5 h1.5
  text "CS0" at 31.15,42.75 h1.8 r90
  text "CS1" at 33.69,42.75 h1.8 r90
  text "SCL" at 46.39,42.75 h1.8 r90
  text "IO14" at 28.61,42.5 h1.8 r90
  text "CLK" at 41.31,42.5 h1.8 r90
  text "RXD" at 48.93,42.5 h1.8 r90
  text "SDA" at 43.85,42.25 h1.8 r90
  text "TXD" at 51.47,42.25 h1.8 r90
  text "IO36" at 54.01,42.25 h1.8 r90
  text "MOSI" at 36.23,41.75 h1.8 r90
  text "MISO" at 38.77,41.75 h1.8 r90
  text "ОБЩ" at 56.55,41.75 h1.8 r90
  text "VCC" at 43.88,35.25 h1.8 r90
  text "ОБЩ" at 54.04,34.75 h1.8 r90
  text "ОБЩ" at 56.58,34.75 h1.8 r90
  text "+3.3В" at 46.42,34.5 h1.8 r90
  text "+3.3В" at 48.96,34.5 h1.8 r90
  text "+3.3В" at 51.5,34.5 h1.8 r90
Top Solder:
  region: 8,100 8,96 cw(c4,96) 4,92 0,92 0,96 cw(c4,96) 4,100
  region: 92,100 92,96 ccw(c96,96) 96,92 100,92 100,96 ccw(c96,96) 96,100
  region: 92,0 92,4 cw(c96,4) 96,8 100,8 100,4 cw(c96,4) 96,0
  region: 8,0 8,4 ccw(c4,4) 4,8 0,8 0,4 ccw(c4,4) 4,0
Bottom Solder:
  region: 8,0 8,4 ccw(c4,4) 4,8 0,8 0,4 ccw(c4,4) 4,0
  region: 92,0 92,4 cw(c96,4) 96,8 100,8 100,4 cw(c96,4) 96,0
  region: 92,100 92,96 ccw(c96,96) 96,92 100,92 100,96 ccw(c96,96) 96,100
  region: 8,100 8,96 cw(c4,96) 4,92 0,92 0,96 cw(c4,96) 4,100
Mechanical 1:
  the board outline again, w0.25